# Altium PCB PCB1.PcbDoc (part 2 of 6) (continued)
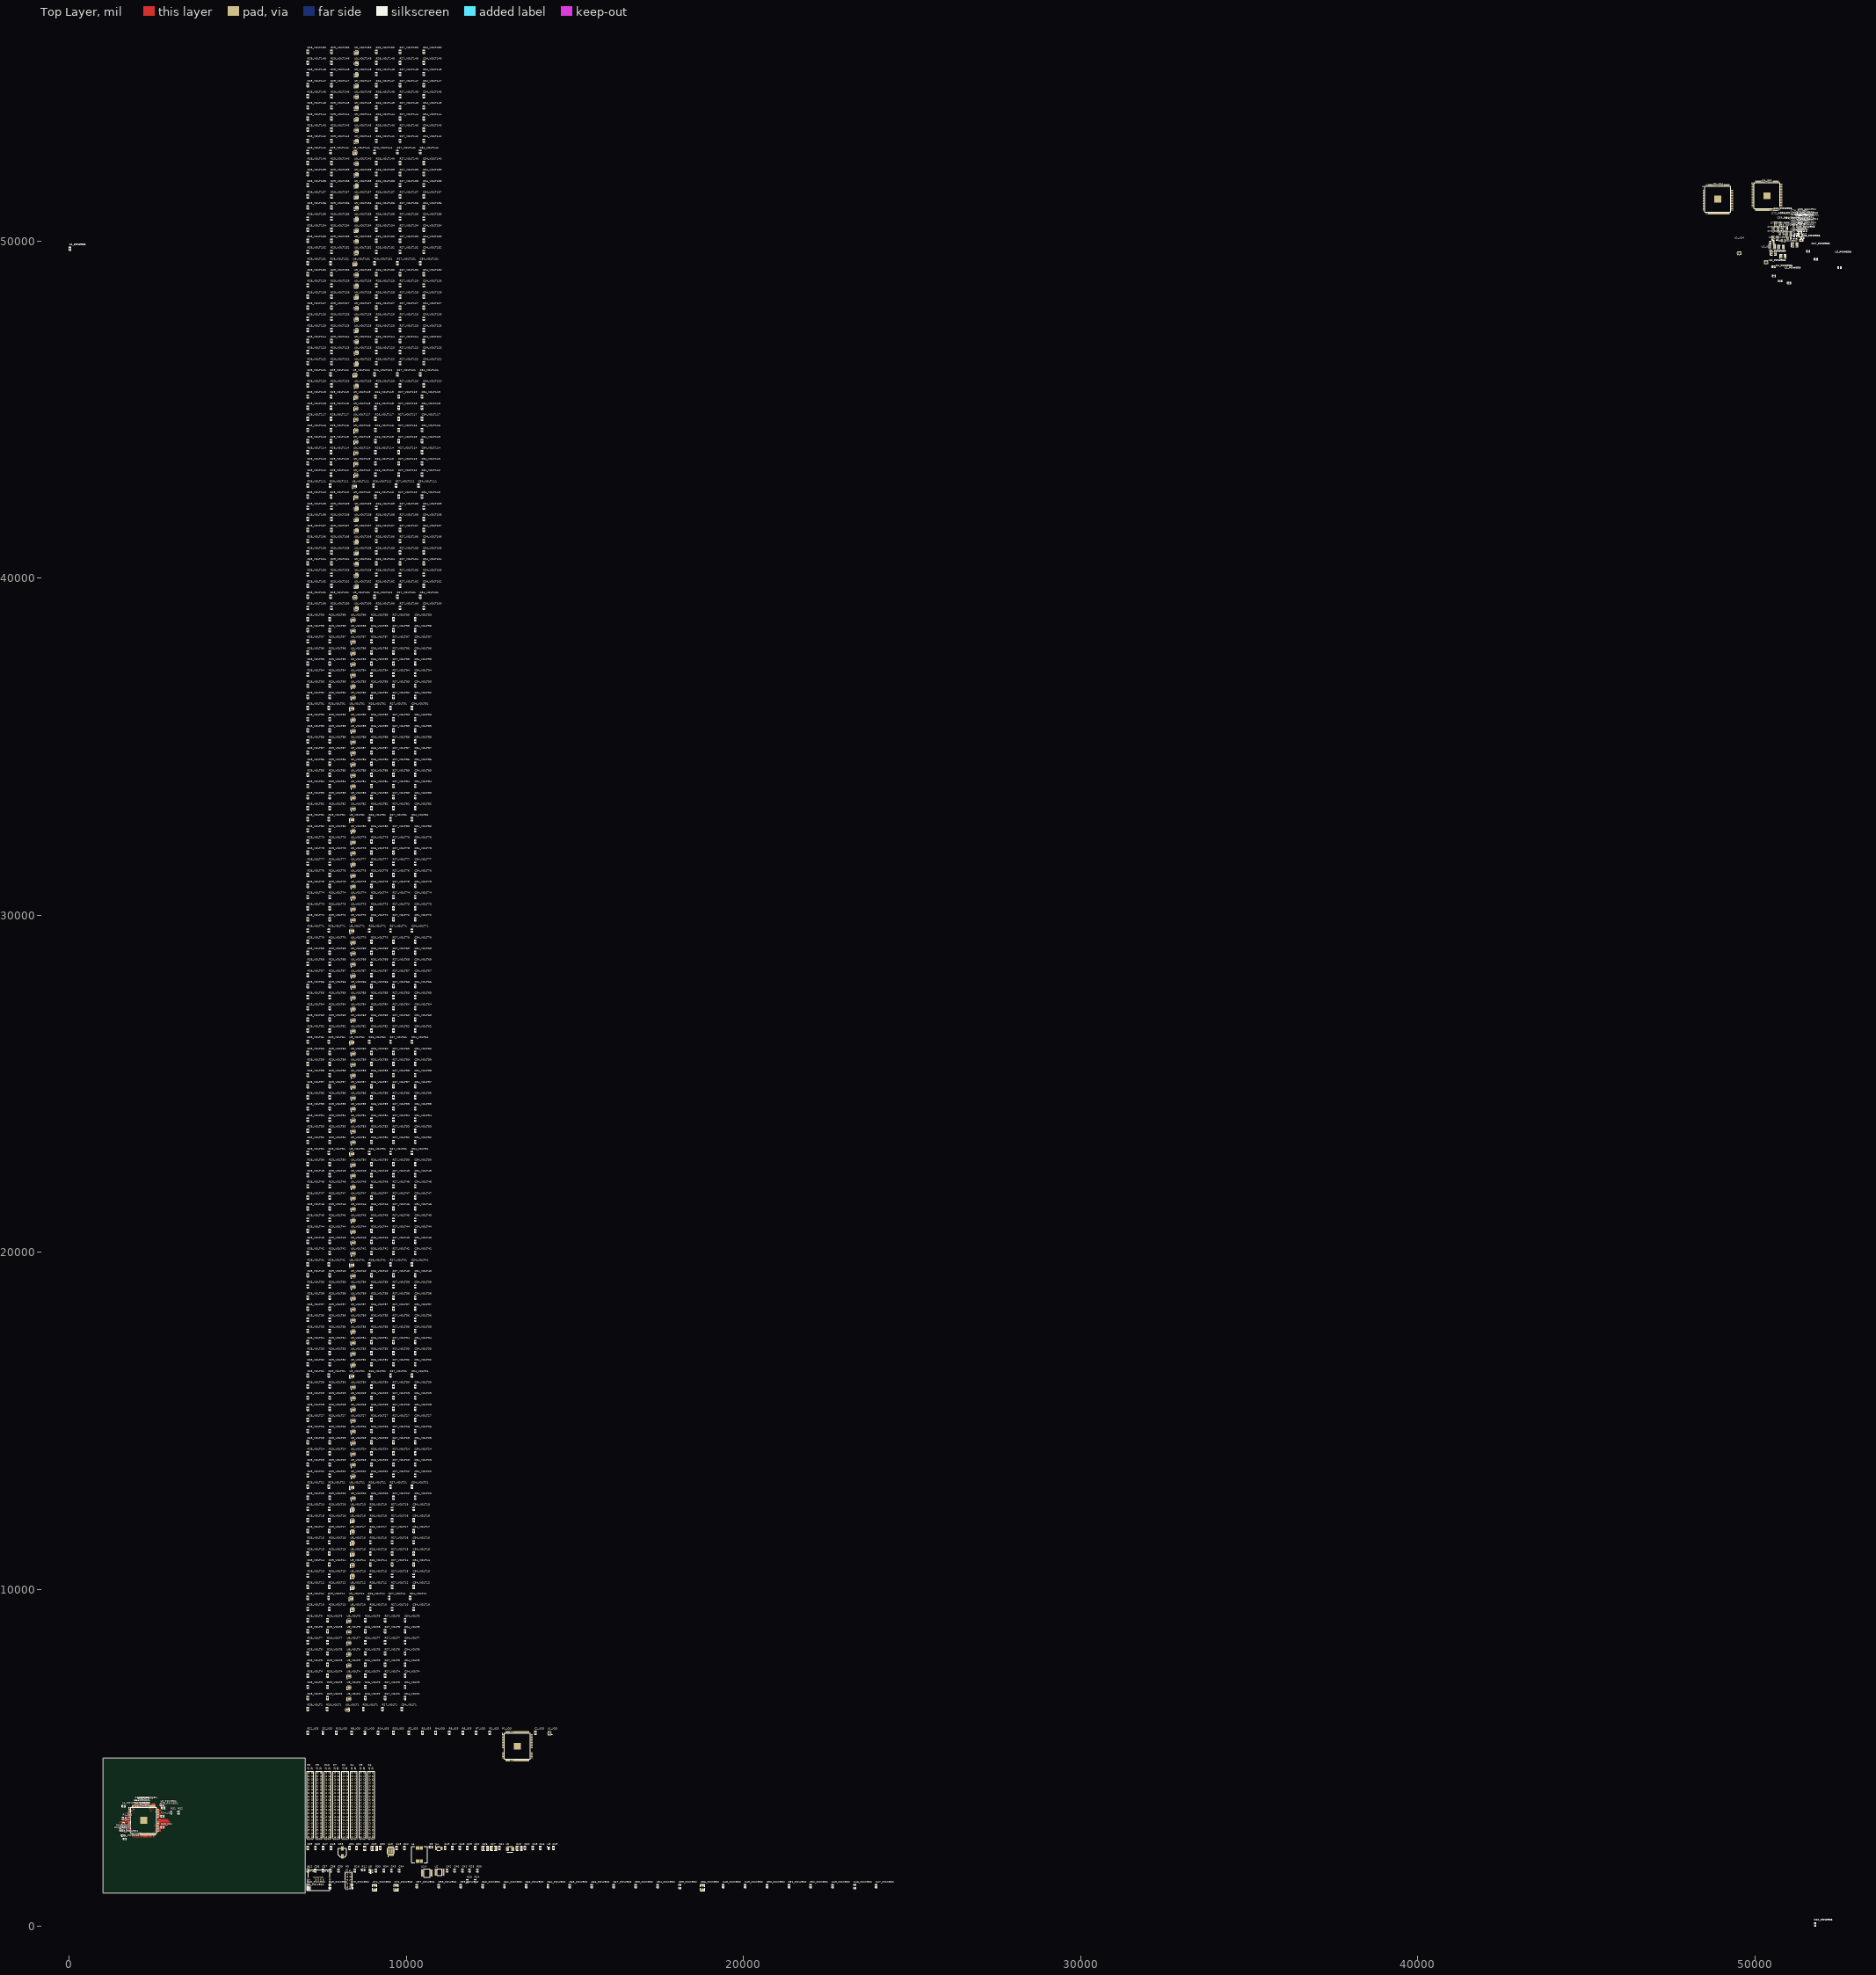
[diagram p0: Top Layer view]
## Components (designator, comment, footprint, x,y, rotation, side; value= is the part's Value field where it differs from the comment) (continued)
C53_POWER3 "0.01uF/16V" 0603C 51335.5,50327.5 r0 top (schematic designator C53)
C53_POWER4 "0.01uF/16V" 0603C 51335.5,50327.5 r0 top (schematic designator C53)
C54_POWER1 "0.47uF/16V" 0603C 51335.5,50327.5 r0 top (schematic designator C54)
C54_POWER2 "0.47uF/16V" 0603C 17455,1203 r90 top (schematic designator C54)
C54_POWER3 "0.47uF/16V" 0603C 51335.5,50327.5 r0 top (schematic designator C54)
C54_POWER4 "0.47uF/16V" 0603C 51335.5,50327.5 r0 top (schematic designator C54)
C55_POWER1 "10uF/25V" 0805C 51335.5,50327.5 r0 top (schematic designator C55)
C55_POWER2 "10uF/25V" 0805C 18115,1188 r90 top (schematic designator C55)
C55_POWER3 "10uF/25V" 0805C 51335.5,50327.5 r0 top (schematic designator C55)
C55_POWER4 "10uF/25V" 0805C 51414,50485 r0 top (schematic designator C55)
C56_POWER1 "22uF/25V" 1210C 51186,49903 r0 top (schematic designator C56)
C56_POWER2 "22uF/25V" 1210C 18795,1158 r90 top (schematic designator C56)
C56_POWER3 "22uF/25V" 1210C 50882,50389 r0 top (schematic designator C56)
C56_POWER4 "22uF/25V" 1210C 51008,50232 r0 top (schematic designator C56)
C57_POWER1 "0.1uF/16V" 0603C 51335.5,50327.5 r0 top (schematic designator C57)
C57_POWER2 "0.1uF/16V" 0603C 10317,1203 r90 top (schematic designator C57)
C57_POWER3 "0.1uF/16V" 0603C 51335.5,50327.5 r0 top (schematic designator C57)
C57_POWER4 "0.1uF/16V" 0603C 51335.5,50327.5 r0 top (schematic designator C57)
C58_POWER1 "0.1uF/16V" 0603C 51335.5,50327.5 r0 top (schematic designator C58)
C58_POWER2 "0.1uF/16V" 0603C 10967,1203 r90 top (schematic designator C58)
C58_POWER3 "0.1uF/16V" 0603C 51335.5,50327.5 r0 top (schematic designator C58)
C58_POWER4 "0.1uF/16V" 0603C 51335.5,50327.5 r0 top (schematic designator C58)
C59_POWER1 "0.1uF/16V" 0603C 51335.5,50327.5 r0 top (schematic designator C59)
C59_POWER2 "0.1uF/16V" 0603C 11617,1203 r90 top (schematic designator C59)
C59_POWER3 "0.1uF/16V" 0603C 51335.5,50327.5 r0 top (schematic designator C59)
C59_POWER4 "0.1uF/16V" 0603C 51335.5,50327.5 r0 top (schematic designator C59)
C60_POWER1 "0.1uF/16V" 0603C 51335.5,50327.5 r0 top (schematic designator C60)
C60_POWER2 "0.1uF/16V" 0603C 12267,1203 r90 top (schematic designator C60)
C60_POWER3 "0.1uF/16V" 0603C 51335.5,50327.5 r0 top (schematic designator C60)
C60_POWER4 "0.1uF/16V" 0603C 51335.5,50327.5 r0 top (schematic designator C60)
C61_POWER1 "0.1uF/16V" 0603C 51335.5,50327.5 r0 top (schematic designator C61)
C61_POWER2 "0.1uF/16V" 0603C 12916,1203 r90 top (schematic designator C61)
C61_POWER3 "0.1uF/16V" 0603C 51335.5,50327.5 r0 top (schematic designator C61)
C61_POWER4 "0.1uF/16V" 0603C 51335.5,50327.5 r0 top (schematic designator C61)
C62_POWER1 "0.1uF/16V" 0603C 51335.5,50327.5 r0 top (schematic designator C62)
C62_POWER2 "0.1uF/16V" 0603C 13556,1203 r90 top (schematic designator C62)
C62_POWER3 "0.1uF/16V" 0603C 51335.5,50327.5 r0 top (schematic designator C62)
C62_POWER4 "0.1uF/16V" 0603C 51335.5,50327.5 r0 top (schematic designator C62)
C63 "0.047uF/50V" 0603C 7310,2335 r90 top
C64_POWER1 "0.1uF/16V" 0603C 51335.5,50327.5 r0 top (schematic designator C64)
C64_POWER2 "0.1uF/16V" 0603C 14206,1203 r90 top (schematic designator C64)
C64_POWER3 "0.1uF/16V" 0603C 51335.5,50327.5 r0 top (schematic designator C64)
C64_POWER4 "0.1uF/16V" 0603C 51335.5,50327.5 r0 top (schematic designator C64)
C65_POWER1 "0.1uF/16V" 0603C 51335.5,50327.5 r0 top (schematic designator C65)
C65_POWER2 "0.1uF/16V" 0603C 14856,1203 r90 top (schematic designator C65)
C65_POWER3 "0.1uF/16V" 0603C 51347,50402 r0 top (schematic designator C65)
C65_POWER4 "0.1uF/16V" 0603C 51412,50105 r0 top (schematic designator C65)
C66_POWER1 "0.1uF/16V" 0603C 51198,50063 r0 top (schematic designator C66)
C66_POWER2 "0.1uF/16V" 0603C 15506,1203 r90 top (schematic designator C66)
C66_POWER3 "0.1uF/16V" 0603C 51206,50156 r0 top (schematic designator C66)
C66_POWER4 "0.1uF/16V" 0603C 51194,50339 r0 top (schematic designator C66)
C67_POWER1 "0.1uF/16V" 0603C 51493,50315 r0 top (schematic designator C67)
C67_POWER2 "0.1uF/16V" 0603C 16155,1203 r90 top (schematic designator C67)
C67_POWER3 "0.1uF/16V" 0603C 51224,50212 r0 top (schematic designator C67)
C67_POWER4 "0.1uF/16V" 0603C 51349,50260 r0 top (schematic designator C67)
C68_POWER1 "0.47uF/16V" 0603C 51381,50035 r0 top (schematic designator C68)
C68_POWER2 "0.47uF/16V" 0603C 7078,1203 r90 top (schematic designator C68)
C68_POWER3 "0.47uF/16V" 0603C 51467,50382 r0 top (schematic designator C68)
C68_POWER4 "0.47uF/16V" 0603C 51481,50204 r0 top (schematic designator C68)
C69_POWER1 "10uF/25V" 0805C 51354,50172 r0 top (schematic designator C69)
C69_POWER2 "10uF/25V" 0805C 7738,1188 r90 top (schematic designator C69)
C69_POWER3 "10uF/25V" 0805C 51025,50086 r0 top (schematic designator C69)
C69_POWER4 "10uF/25V" 0805C 50795,50238 r0 top (schematic designator C69)
C70_POWER1 "10uF/25V" 0805C 51203,50451 r0 top (schematic designator C70)
C70_POWER2 "10uF/25V" 0805C 8388,1188 r90 top (schematic designator C70)
C70_POWER3 "10uF/25V" 0805C 50849,50025 r0 top (schematic designator C70)
C70_POWER4 "10uF/25V" 0805C 50513.37,49964 r0 top (schematic designator C70)
C71_POWER1 "22uF/25V" 1210C 50837,49551 r0 top (schematic designator C71)
C71_POWER2 "22uF/25V" 1210C 9067,1158 r90 top (schematic designator C71)
C71_POWER3 "22uF/25V" 1210C 50548,49657 r0 top (schematic designator C71)
C71_POWER4 "22uF/25V" 1210C 50516,49842 r0 top (schematic designator C71)
C72_POWER1 "22uF/25V" 1210C 50624,50372 r0 top (schematic designator C72)
C72_POWER2 "22uF/25V" 1210C 9707,1158 r90 top (schematic designator C72)
C72_POWER3 "22uF/25V" 1210C 50780,49827 r0 top (schematic designator C72)
C72_POWER4 "22uF/25V" 1210C 50606,50092 r0 top (schematic designator C72)
D1_IO1 "LEDR" LED_0603 1554,2912.91 r180 top value=RED (schematic designator D1)
D1_IO2 "LEDR" LED_0603 51335.5,50327.5 r0 top value=RED (schematic designator D1)
D1_IO3 "LEDR" LED_0603 8780,5750 r90 top value=RED (schematic designator D1)
D1_IO4 "LEDR" LED_0603 51335.5,50327.5 r0 top value=RED (schematic designator D1)
D2_IO1 "LEDR" LED_0603 1552,2851.91 r180 top value=RED (schematic designator D2)
D2_IO2 "LEDR" LED_0603 51335.5,50327.5 r0 top value=RED (schematic designator D2)
D2_IO3 "LEDR" LED_0603 7530,5750 r90 top value=RED (schematic designator D2)
D2_IO4 "LEDR" LED_0603 51335.5,50327.5 r0 top value=RED (schematic designator D2)
D7 "V8PAM10S-M3_H" V8PAM10SHM3H 7105,1185 r90 top
J1 "RJHSE-5381" RJHSE5381 7410,1380 r0 top
L1_POWER1 "100R,1A" 0603L 1620,3575 r180 top value=100R/1A (schematic designator L1)
L1_POWER2 "100R,1A" 0603L 51016.4,48762.89 r0 top value=100R/1A (schematic designator L1)
L1_POWER3 "100R,1A" 0603L 51016.4,48762.89 r0 top value=100R/1A (schematic designator L1)
L1_POWER4 "100R,1A" 0603L 51016.4,48762.89 r0 top value=100R/1A (schematic designator L1)
L2_POWER1 "100R,1A" 0603L 1650.16,2604.56 r180 top value=100R/1A (schematic designator L2)
L2_POWER2 "100R,1A" 0603L 27.5,49779.5 r90 top value=100R/1A (schematic designator L2)
L2_POWER3 "100R,1A" 0603L 27.5,49779.5 r90 top value=100R/1A (schematic designator L2)
L2_POWER4 "100R,1A" 0603L 27.5,49779.5 r90 top value=100R/1A (schematic designator L2)
L3_POWER1 "100R,1A" 0603L 2755,3620 r0 top value=100R/1A (schematic designator L3)
L3_POWER2 "100R,1A" 0603L 52514.5,49224.5 r0 top value=100R/1A (schematic designator L3)
L3_POWER3 "100R,1A" 0603L 52514.5,49224.5 r0 top value=100R/1A (schematic designator L3)
L3_POWER4 "100R,1A" 0603L 52514.5,49224.5 r0 top value=100R/1A (schematic designator L3)
L5 "2.2uH" IHLP1616BZER2R2M5A 12995,2295 r0 top
L6 "22uH" CDRH124NP-220MC 10390,2135 r0 top
P1_IO1 "10M04SC E144" 10M04SCE144C8G 2213.27,3152.24 r0 top (schematic designator P1)
P1_IO2 "10M04SC E144" 10M04SCE144C8G 50360,51350 r0 top (schematic designator P1)
P1_IO3 "10M04SC E144" 10M04SCE144C8G 13295,5350 r0 top (schematic designator P1)
P1_IO4 "10M04SC E144" 10M04SCE144C8G 48902.95,51247.24 r0 top (schematic designator P1)
P2 "Header 20X2" HDR2X20 8240,2660 r90 top value=40
P3 "JTAG" HDR2X5 8345,1175 r90 top
P4 "Header 20X2" HDR2X20 8495,2660 r90 top value=40
P5 "Header 20X2" HDR2X20 8755,2660 r90 top value=40
P6 "Header 20X2" HDR2X20 9010,2660 r90 top value=40
P7 "Header 20X2" HDR2X20 7980,2660 r90 top value=40
P8 "Header 20X2" HDR2X20 7205,2660 r90 top value=40
P9 "Header 20X2" HDR2X20 7465,2660 r90 top value=40
P10 "Header 20X2" HDR2X20 7720,2660 r90 top value=40
R1_IO1 "10K" 0603R 1635,3220 r180 top (schematic designator R1)
R1_IO2 "10K" 0603R 51335.5,50327.5 r0 top (schematic designator R1)
R1_IO3 "10K" 0603R 12480,5755 r90 top (schematic designator R1)
R1_IO4 "10K" 0603R 51335.5,50327.5 r0 top (schematic designator R1)
R2_IO1 "10K" 0603R 1975,3710 r90 top (schematic designator R2)
R2_IO2 "10K" 0603R 51335.5,50327.5 r0 top (schematic designator R2)
R2_IO3 "10K" 0603R 10080,5755 r90 top (schematic designator R2)
R2_IO4 "10K" 0603R 51335.5,50327.5 r0 top (schematic designator R2)
R3_IO1 "10K" 0603R 2035,3710 r90 top (schematic designator R3)
R3_IO2 "10K" 0603R 51335.5,50327.5 r0 top (schematic designator R3)
R3_IO3 "10K" 0603R 10480,5755 r90 top (schematic designator R3)
R3_IO4 "10K" 0603R 51335.5,50327.5 r0 top (schematic designator R3)
R4_IO1 "10K" 0603R 2085,3710 r90 top (schematic designator R4)
R4_IO2 "10K" 0603R 51335.5,50327.5 r0 top (schematic designator R4)
R4_IO3 "10K" 0603R 10880,5755 r90 top (schematic designator R4)
R4_IO4 "10K" 0603R 51335.5,50327.5 r0 top (schematic designator R4)
R5_IO1 "10K" 0603R 2145,3710 r90 top (schematic designator R5)
R5_IO2 "10K" 0603R 51335.5,50327.5 r0 top (schematic designator R5)
R5_IO3 "10K" 0603R 11280,5755 r90 top (schematic designator R5)
R5_IO4 "10K" 0603R 51335.5,50327.5 r0 top (schematic designator R5)
R6_IO1 "10K" 0603R 2285,3710 r90 top (schematic designator R6)
R6_IO2 "10K" 0603R 51335.5,50327.5 r0 top (schematic designator R6)
R6_IO3 "10K" 0603R 11680,5755 r90 top (schematic designator R6)
R6_IO4 "10K" 0603R 51335.5,50327.5 r0 top (schematic designator R6)
R7_IO1 "10K" 0603R 2360,3710 r90 top (schematic designator R7)
R7_IO2 "10K" 0603R 51335.5,50327.5 r0 top (schematic designator R7)
R7_IO3 "10K" 0603R 12080,5755 r90 top (schematic designator R7)
R7_IO4 "10K" 0603R 51335.5,50327.5 r0 top (schematic designator R7)
R8_IO1 "220R" 0603R 1663,2911 r180 top (schematic designator R8)
R8_IO2 "220R" 0603R 51335.5,50327.5 r0 top (schematic designator R8)
R8_IO3 "220R" 0603R 8380,5755 r90 top (schematic designator R8)
R8_IO4 "220R" 0603R 51335.5,50327.5 r0 top (schematic designator R8)
R9 "1K" 0603R 10730,2360 r0 top
R10 "10K" 0603R 8480,1665 r90 top
R11 "10K" 0603R 8725,1690 r0 top
R12 "1K" 0603R 7080,1665 r90 top
R13_IO1 "1K" 0603R 2205,3710 r90 top (schematic designator R13)
R13_IO2 "1K" 0603R 51335.5,50327.5 r0 top (schematic designator R13)
R13_IO3 "1K" 0603R 7930,5755 r90 top (schematic designator R13)
R13_IO4 "1K" 0603R 51335.5,50327.5 r0 top (schematic designator R13)
R14_IO1 "4.7K" 0603R 2774,3280 r180 top (schematic designator R14)
R14_IO2 "4.7K" 0603R 51335.5,50327.5 r0 top (schematic designator R14)
R14_IO3 "4.7K" 0603R 9170,5755 r90 top (schematic designator R14)
R14_IO4 "4.7K" 0603R 51335.5,50327.5 r0 top (schematic designator R14)
R15 "604K" 0603R 14365,2335 r90 top
R16 "20R" 0603R 13975,2335 r90 top
R17 "10K" 0603R 11375,2335 r90 top
R18 "40.2K" 0603R 11595,2335 r90 top
R19 "7.68K" 0603R 11155,2335 r90 top
R20_IO1 "4.7K" 0603R 2774,2950 r180 top (schematic designator R20)
R20_IO2 "4.7K" 0603R 51335.5,50327.5 r0 top (schematic designator R20)
R20_IO3 "4.7K" 0603R 9620,5755 r90 top (schematic designator R20)
R20_IO4 "4.7K" 0603R 51335.5,50327.5 r0 top (schematic designator R20)
R21_IO1 "220R" 0603R 1663,2850 r180 top (schematic designator R21)
R21_IO2 "220R" 0603R 51335.5,50327.5 r0 top (schematic designator R21)
R21_IO3 "220R" 0603R 7080,5755 r90 top (schematic designator R21)
R21_IO4 "220R" 0603R 51335.5,50327.5 r0 top (schematic designator R21)
R22 "10K" 0603R 9945,2335 r90 top
R23 "10K" 0603R 11815,1355 r90 top
R24 "10K" 0603R 12045,1355 r90 top
R25 "10K" 0603R 11880,1665 r90 top
R26_VOLT1 "1K" 0603R 8730,6455 r90 top (schematic designator R26)
R26_VOLT2 "1K" 0603R 8790,6785 r90 top (schematic designator R26)
R26_VOLT3 "1K" 0603R 8790,7115 r90 top (schematic designator R26)
R26_VOLT4 "1K" 0603R 8790,7445 r90 top (schematic designator R26)
R26_VOLT5 "1K" 0603R 8790,7775 r90 top (schematic designator R26)
R26_VOLT6 "1K" 0603R 8790,8105 r90 top (schematic designator R26)
R26_VOLT7 "1K" 0603R 8790,8435 r90 top (schematic designator R26)
R26_VOLT8 "1K" 0603R 8790,8765 r90 top (schematic designator R26)
R26_VOLT9 "1K" 0603R 8790,9095 r90 top (schematic designator R26)
R26_VOLT10 "1K" 0603R 8940,9425 r90 top (schematic designator R26)
R26_VOLT11 "1K" 0603R 8880,9755 r90 top (schematic designator R26)
R26_VOLT12 "1K" 0603R 8940,10085 r90 top (schematic designator R26)
R26_VOLT13 "1K" 0603R 8940,10415 r90 top (schematic designator R26)
R26_VOLT14 "1K" 0603R 8940,10745 r90 top (schematic designator R26)
R26_VOLT15 "1K" 0603R 8940,11075 r90 top (schematic designator R26)
R26_VOLT16 "1K" 0603R 8940,11405 r90 top (schematic designator R26)
R26_VOLT17 "1K" 0603R 8940,11735 r90 top (schematic designator R26)
R26_VOLT18 "1K" 0603R 8940,12065 r90 top (schematic designator R26)
R26_VOLT19 "1K" 0603R 8940,12395 r90 top (schematic designator R26)
R26_VOLT20 "1K" 0603R 8970,12725 r90 top (schematic designator R26)
R26_VOLT21 "1K" 0603R 8910,13055 r90 top (schematic designator R26)
R26_VOLT22 "1K" 0603R 8970,13385 r90 top (schematic designator R26)
R26_VOLT23 "1K" 0603R 8970,13715 r90 top (schematic designator R26)
R26_VOLT24 "1K" 0603R 8970,14045 r90 top (schematic designator R26)
R26_VOLT25 "1K" 0603R 8970,14375 r90 top (schematic designator R26)
R26_VOLT26 "1K" 0603R 8970,14705 r90 top (schematic designator R26)
R26_VOLT27 "1K" 0603R 8970,15035 r90 top (schematic designator R26)
R26_VOLT28 "1K" 0603R 8970,15365 r90 top (schematic designator R26)
R26_VOLT29 "1K" 0603R 8970,15695 r90 top (schematic designator R26)
R26_VOLT30 "1K" 0603R 8970,16025 r90 top (schematic designator R26)
R26_VOLT31 "1K" 0603R 8910,16355 r90 top (schematic designator R26)
R26_VOLT32 "1K" 0603R 8970,16685 r90 top (schematic designator R26)
R26_VOLT33 "1K" 0603R 8970,17015 r90 top (schematic designator R26)
R26_VOLT34 "1K" 0603R 8970,17345 r90 top (schematic designator R26)
R26_VOLT35 "1K" 0603R 8970,17675 r90 top (schematic designator R26)
R26_VOLT36 "1K" 0603R 8970,18005 r90 top (schematic designator R26)
R26_VOLT37 "1K" 0603R 8970,18335 r90 top (schematic designator R26)
R26_VOLT38 "1K" 0603R 8970,18665 r90 top (schematic designator R26)
R26_VOLT39 "1K" 0603R 8970,18995 r90 top (schematic designator R26)
R26_VOLT40 "1K" 0603R 8970,19325 r90 top (schematic designator R26)
R26_VOLT41 "1K" 0603R 8910,19655 r90 top (schematic designator R26)
R26_VOLT42 "1K" 0603R 8970,19985 r90 top (schematic designator R26)
R26_VOLT43 "1K" 0603R 8970,20315 r90 top (schematic designator R26)
R26_VOLT44 "1K" 0603R 8970,20645 r90 top (schematic designator R26)
R26_VOLT45 "1K" 0603R 8970,20975 r90 top (schematic designator R26)
R26_VOLT46 "1K" 0603R 8970,21305 r90 top (schematic designator R26)
R26_VOLT47 "1K" 0603R 8970,21635 r90 top (schematic designator R26)
R26_VOLT48 "1K" 0603R 8970,21965 r90 top (schematic designator R26)
R26_VOLT49 "1K" 0603R 8970,22295 r90 top (schematic designator R26)
R26_VOLT50 "1K" 0603R 8970,22625 r90 top (schematic designator R26)
R26_VOLT51 "1K" 0603R 8910,22955 r90 top (schematic designator R26)
R26_VOLT52 "1K" 0603R 8970,23285 r90 top (schematic designator R26)
R26_VOLT53 "1K" 0603R 8970,23615 r90 top (schematic designator R26)
R26_VOLT54 "1K" 0603R 8970,23945 r90 top (schematic designator R26)
R26_VOLT55 "1K" 0603R 8970,24275 r90 top (schematic designator R26)
R26_VOLT56 "1K" 0603R 8970,24605 r90 top (schematic designator R26)
R26_VOLT57 "1K" 0603R 8970,24935 r90 top (schematic designator R26)
R26_VOLT58 "1K" 0603R 8970,25265 r90 top (schematic designator R26)
R26_VOLT59 "1K" 0603R 8970,25595 r90 top (schematic designator R26)
R26_VOLT60 "1K" 0603R 8970,25925 r90 top (schematic designator R26)
R26_VOLT61 "1K" 0603R 8910,26255 r90 top (schematic designator R26)
R26_VOLT62 "1K" 0603R 8970,26585 r90 top (schematic designator R26)
R26_VOLT63 "1K" 0603R 8970,26915 r90 top (schematic designator R26)
R26_VOLT64 "1K" 0603R 8970,27245 r90 top (schematic designator R26)
R26_VOLT65 "1K" 0603R 8970,27575 r90 top (schematic designator R26)
R26_VOLT66 "1K" 0603R 8970,27905 r90 top (schematic designator R26)
R26_VOLT67 "1K" 0603R 8970,28235 r90 top (schematic designator R26)
R26_VOLT68 "1K" 0603R 8970,28565 r90 top (schematic designator R26)
R26_VOLT69 "1K" 0603R 8970,28895 r90 top (schematic designator R26)
R26_VOLT70 "1K" 0603R 8970,29225 r90 top (schematic designator R26)
R26_VOLT71 "1K" 0603R 8910,29555 r90 top (schematic designator R26)
R26_VOLT72 "1K" 0603R 8970,29885 r90 top (schematic designator R26)
R26_VOLT73 "1K" 0603R 8970,30215 r90 top (schematic designator R26)
R26_VOLT74 "1K" 0603R 8970,30545 r90 top (schematic designator R26)
R26_VOLT75 "1K" 0603R 8970,30875 r90 top (schematic designator R26)
R26_VOLT76 "1K" 0603R 8970,31205 r90 top (schematic designator R26)
R26_VOLT77 "1K" 0603R 8970,31535 r90 top (schematic designator R26)
R26_VOLT78 "1K" 0603R 8970,31865 r90 top (schematic designator R26)
R26_VOLT79 "1K" 0603R 8970,32195 r90 top (schematic designator R26)
R26_VOLT80 "1K" 0603R 8970,32525 r90 top (schematic designator R26)
R26_VOLT81 "1K" 0603R 8910,32855 r90 top (schematic designator R26)
R26_VOLT82 "1K" 0603R 8970,33185 r90 top (schematic designator R26)
R26_VOLT83 "1K" 0603R 8970,33515 r90 top (schematic designator R26)
R26_VOLT84 "1K" 0603R 8970,33845 r90 top (schematic designator R26)
R26_VOLT85 "1K" 0603R 8970,34175 r90 top (schematic designator R26)
R26_VOLT86 "1K" 0603R 8970,34505 r90 top (schematic designator R26)
R26_VOLT87 "1K" 0603R 8970,34835 r90 top (schematic designator R26)
R26_VOLT88 "1K" 0603R 8970,35165 r90 top (schematic designator R26)
R26_VOLT89 "1K" 0603R 8970,35495 r90 top (schematic designator R26)
R26_VOLT90 "1K" 0603R 8970,35825 r90 top (schematic designator R26)
R26_VOLT91 "1K" 0603R 8910,36155 r90 top (schematic designator R26)
R26_VOLT92 "1K" 0603R 8970,36485 r90 top (schematic designator R26)
R26_VOLT93 "1K" 0603R 8970,36815 r90 top (schematic designator R26)
R26_VOLT94 "1K" 0603R 8970,37145 r90 top (schematic designator R26)
R26_VOLT95 "1K" 0603R 8970,37475 r90 top (schematic designator R26)
R26_VOLT96 "1K" 0603R 8970,37805 r90 top (schematic designator R26)
R26_VOLT97 "1K" 0603R 8970,38135 r90 top (schematic designator R26)
R26_VOLT98 "1K" 0603R 8970,38465 r90 top (schematic designator R26)
R26_VOLT99 "1K" 0603R 8970,38795 r90 top (schematic designator R26)
R26_VOLT100 "1K" 0603R 9120,39125 r90 top (schematic designator R26)
R26_VOLT101 "1K" 0603R 9060,39455 r90 top (schematic designator R26)
R26_VOLT102 "1K" 0603R 9120,39785 r90 top (schematic designator R26)
R26_VOLT103 "1K" 0603R 9120,40115 r90 top (schematic designator R26)
R26_VOLT104 "1K" 0603R 9120,40445 r90 top (schematic designator R26)
R26_VOLT105 "1K" 0603R 9120,40775 r90 top (schematic designator R26)
R26_VOLT106 "1K" 0603R 9120,41105 r90 top (schematic designator R26)
R26_VOLT107 "1K" 0603R 9120,41435 r90 top (schematic designator R26)
R26_VOLT108 "1K" 0603R 9120,41765 r90 top (schematic designator R26)
R26_VOLT109 "1K" 0603R 9120,42095 r90 top (schematic designator R26)
R26_VOLT110 "1K" 0603R 9090,42425 r90 top (schematic designator R26)
R26_VOLT111 "1K" 0603R 9030,42755 r90 top (schematic designator R26)
R26_VOLT112 "1K" 0603R 9090,43085 r90 top (schematic designator R26)
R26_VOLT113 "1K" 0603R 9090,43415 r90 top (schematic designator R26)
R26_VOLT114 "1K" 0603R 9090,43745 r90 top (schematic designator R26)
R26_VOLT115 "1K" 0603R 9090,44075 r90 top (schematic designator R26)
R26_VOLT116 "1K" 0603R 9090,44405 r90 top (schematic designator R26)
R26_VOLT117 "1K" 0603R 9090,44735 r90 top (schematic designator R26)
R26_VOLT118 "1K" 0603R 9090,45065 r90 top (schematic designator R26)
R26_VOLT119 "1K" 0603R 9090,45395 r90 top (schematic designator R26)
R26_VOLT120 "1K" 0603R 9120,45725 r90 top (schematic designator R26)
R26_VOLT121 "1K" 0603R 9060,46055 r90 top (schematic designator R26)
R26_VOLT122 "1K" 0603R 9120,46385 r90 top (schematic designator R26)
R26_VOLT123 "1K" 0603R 9120,46715 r90 top (schematic designator R26)
R26_VOLT124 "1K" 0603R 9120,47045 r90 top (schematic designator R26)
R26_VOLT125 "1K" 0603R 9120,47375 r90 top (schematic designator R26)
R26_VOLT126 "1K" 0603R 9120,47705 r90 top (schematic designator R26)
R26_VOLT127 "1K" 0603R 9120,48035 r90 top (schematic designator R26)
R26_VOLT128 "1K" 0603R 9120,48365 r90 top (schematic designator R26)
R26_VOLT129 "1K" 0603R 9120,48695 r90 top (schematic designator R26)
R26_VOLT130 "1K" 0603R 9120,49025 r90 top (schematic designator R26)
R26_VOLT131 "1K" 0603R 9060,49355 r90 top (schematic designator R26)
R26_VOLT132 "1K" 0603R 9120,49685 r90 top (schematic designator R26)
R26_VOLT133 "1K" 0603R 9120,50015 r90 top (schematic designator R26)
R26_VOLT134 "1K" 0603R 9120,50345 r90 top (schematic designator R26)
R26_VOLT135 "1K" 0603R 9120,50675 r90 top (schematic designator R26)
R26_VOLT136 "1K" 0603R 9120,51005 r90 top (schematic designator R26)
R26_VOLT137 "1K" 0603R 9120,51335 r90 top (schematic designator R26)
R26_VOLT138 "1K" 0603R 9120,51665 r90 top (schematic designator R26)
R26_VOLT139 "1K" 0603R 9120,51995 r90 top (schematic designator R26)
R26_VOLT140 "1K" 0603R 9120,52325 r90 top (schematic designator R26)
R26_VOLT141 "1K" 0603R 9060,52655 r90 top (schematic designator R26)
R26_VOLT142 "1K" 0603R 9120,52985 r90 top (schematic designator R26)
R26_VOLT143 "1K" 0603R 9120,53315 r90 top (schematic designator R26)
R26_VOLT144 "1K" 0603R 9120,53645 r90 top (schematic designator R26)
R26_VOLT145 "1K" 0603R 9120,53975 r90 top (schematic designator R26)
R26_VOLT146 "1K" 0603R 9120,54305 r90 top (schematic designator R26)
R26_VOLT147 "1K" 0603R 9120,54635 r90 top (schematic designator R26)
R26_VOLT148 "1K" 0603R 9120,54965 r90 top (schematic designator R26)
R26_VOLT149 "1K" 0603R 9120,55295 r90 top (schematic designator R26)
R26_VOLT150 "1K" 0603R 9120,55625 r90 top (schematic designator R26)
R27_VOLT1 "160R" 0603R 9300,6455 r90 top (schematic designator R27)
R27_VOLT2 "160R" 0603R 9380,6785 r90 top (schematic designator R27)
R27_VOLT3 "160R" 0603R 9380,7115 r90 top (schematic designator R27)
R27_VOLT4 "160R" 0603R 9380,7445 r90 top (schematic designator R27)
R27_VOLT5 "160R" 0603R 9380,7775 r90 top (schematic designator R27)
R27_VOLT6 "160R" 0603R 9380,8105 r90 top (schematic designator R27)
R27_VOLT7 "160R" 0603R 9380,8435 r90 top (schematic designator R27)
R27_VOLT8 "160R" 0603R 9380,8765 r90 top (schematic designator R27)
R27_VOLT9 "160R" 0603R 9380,9095 r90 top (schematic designator R27)
R27_VOLT10 "160R" 0603R 9580,9425 r90 top (schematic designator R27)
R27_VOLT11 "160R" 0603R 9500,9755 r90 top (schematic designator R27)
R27_VOLT12 "160R" 0603R 9580,10085 r90 top (schematic designator R27)
R27_VOLT13 "160R" 0603R 9580,10415 r90 top (schematic designator R27)
R27_VOLT14 "160R" 0603R 9580,10745 r90 top (schematic designator R27)
R27_VOLT15 "160R" 0603R 9580,11075 r90 top (schematic designator R27)
R27_VOLT16 "160R" 0603R 9580,11405 r90 top (schematic designator R27)
R27_VOLT17 "160R" 0603R 9580,11735 r90 top (schematic designator R27)
R27_VOLT18 "160R" 0603R 9580,12065 r90 top (schematic designator R27)
R27_VOLT19 "160R" 0603R 9580,12395 r90 top (schematic designator R27)
R27_VOLT20 "160R" 0603R 9620,12725 r90 top (schematic designator R27)
R27_VOLT21 "160R" 0603R 9540,13055 r90 top (schematic designator R27)
R27_VOLT22 "160R" 0603R 9620,13385 r90 top (schematic designator R27)
R27_VOLT23 "160R" 0603R 9620,13715 r90 top (schematic designator R27)
R27_VOLT24 "160R" 0603R 9620,14045 r90 top (schematic designator R27)
R27_VOLT25 "160R" 0603R 9620,14375 r90 top (schematic designator R27)
R27_VOLT26 "160R" 0603R 9620,14705 r90 top (schematic designator R27)
R27_VOLT27 "160R" 0603R 9620,15035 r90 top (schematic designator R27)
R27_VOLT28 "160R" 0603R 9620,15365 r90 top (schematic designator R27)
R27_VOLT29 "160R" 0603R 9620,15695 r90 top (schematic designator R27)
R27_VOLT30 "160R" 0603R 9620,16025 r90 top (schematic designator R27)
R27_VOLT31 "160R" 0603R 9540,16355 r90 top (schematic designator R27)
R27_VOLT32 "160R" 0603R 9620,16685 r90 top (schematic designator R27)
R27_VOLT33 "160R" 0603R 9620,17015 r90 top (schematic designator R27)
R27_VOLT34 "160R" 0603R 9620,17345 r90 top (schematic designator R27)
R27_VOLT35 "160R" 0603R 9620,17675 r90 top (schematic designator R27)
R27_VOLT36 "160R" 0603R 9620,18005 r90 top (schematic designator R27)
R27_VOLT37 "160R" 0603R 9620,18335 r90 top (schematic designator R27)
R27_VOLT38 "160R" 0603R 9620,18665 r90 top (schematic designator R27)
R27_VOLT39 "160R" 0603R 9620,18995 r90 top (schematic designator R27)
R27_VOLT40 "160R" 0603R 9620,19325 r90 top (schematic designator R27)
R27_VOLT41 "160R" 0603R 9540,19655 r90 top (schematic designator R27)
R27_VOLT42 "160R" 0603R 9620,19985 r90 top (schematic designator R27)
R27_VOLT43 "160R" 0603R 9620,20315 r90 top (schematic designator R27)
R27_VOLT44 "160R" 0603R 9620,20645 r90 top (schematic designator R27)
R27_VOLT45 "160R" 0603R 9620,20975 r90 top (schematic designator R27)
R27_VOLT46 "160R" 0603R 9620,21305 r90 top (schematic designator R27)
R27_VOLT47 "160R" 0603R 9620,21635 r90 top (schematic designator R27)
R27_VOLT48 "160R" 0603R 9620,21965 r90 top (schematic designator R27)
R27_VOLT49 "160R" 0603R 9620,22295 r90 top (schematic designator R27)
R27_VOLT50 "160R" 0603R 9620,22625 r90 top (schematic designator R27)
R27_VOLT51 "160R" 0603R 9540,22955 r90 top (schematic designator R27)
R27_VOLT52 "160R" 0603R 9620,23285 r90 top (schematic designator R27)
R27_VOLT53 "160R" 0603R 9620,23615 r90 top (schematic designator R27)
R27_VOLT54 "160R" 0603R 9620,23945 r90 top (schematic designator R27)
R27_VOLT55 "160R" 0603R 9620,24275 r90 top (schematic designator R27)
R27_VOLT56 "160R" 0603R 9620,24605 r90 top (schematic designator R27)
R27_VOLT57 "160R" 0603R 9620,24935 r90 top (schematic designator R27)
R27_VOLT58 "160R" 0603R 9620,25265 r90 top (schematic designator R27)
R27_VOLT59 "160R" 0603R 9620,25595 r90 top (schematic designator R27)
R27_VOLT60 "160R" 0603R 9620,25925 r90 top (schematic designator R27)
R27_VOLT61 "160R" 0603R 9540,26255 r90 top (schematic designator R27)
R27_VOLT62 "160R" 0603R 9620,26585 r90 top (schematic designator R27)
R27_VOLT63 "160R" 0603R 9620,26915 r90 top (schematic designator R27)
R27_VOLT64 "160R" 0603R 9620,27245 r90 top (schematic designator R27)
R27_VOLT65 "160R" 0603R 9620,27575 r90 top (schematic designator R27)
R27_VOLT66 "160R" 0603R 9620,27905 r90 top (schematic designator R27)
R27_VOLT67 "160R" 0603R 9620,28235 r90 top (schematic designator R27)
R27_VOLT68 "160R" 0603R 9620,28565 r90 top (schematic designator R27)
R27_VOLT69 "160R" 0603R 9620,28895 r90 top (schematic designator R27)
R27_VOLT70 "160R" 0603R 9620,29225 r90 top (schematic designator R27)
R27_VOLT71 "160R" 0603R 9540,29555 r90 top (schematic designator R27)
R27_VOLT72 "160R" 0603R 9620,29885 r90 top (schematic designator R27)
R27_VOLT73 "160R" 0603R 9620,30215 r90 top (schematic designator R27)
R27_VOLT74 "160R" 0603R 9620,30545 r90 top (schematic designator R27)
R27_VOLT75 "160R" 0603R 9620,30875 r90 top (schematic designator R27)
R27_VOLT76 "160R" 0603R 9620,31205 r90 top (schematic designator R27)
R27_VOLT77 "160R" 0603R 9620,31535 r90 top (schematic designator R27)
R27_VOLT78 "160R" 0603R 9620,31865 r90 top (schematic designator R27)
R27_VOLT79 "160R" 0603R 9620,32195 r90 top (schematic designator R27)
R27_VOLT80 "160R" 0603R 9620,32525 r90 top (schematic designator R27)
R27_VOLT81 "160R" 0603R 9540,32855 r90 top (schematic designator R27)
R27_VOLT82 "160R" 0603R 9620,33185 r90 top (schematic designator R27)
R27_VOLT83 "160R" 0603R 9620,33515 r90 top (schematic designator R27)
R27_VOLT84 "160R" 0603R 9620,33845 r90 top (schematic designator R27)
R27_VOLT85 "160R" 0603R 9620,34175 r90 top (schematic designator R27)
R27_VOLT86 "160R" 0603R 9620,34505 r90 top (schematic designator R27)
R27_VOLT87 "160R" 0603R 9620,34835 r90 top (schematic designator R27)
R27_VOLT88 "160R" 0603R 9620,35165 r90 top (schematic designator R27)
R27_VOLT89 "160R" 0603R 9620,35495 r90 top (schematic designator R27)
R27_VOLT90 "160R" 0603R 9620,35825 r90 top (schematic designator R27)
R27_VOLT91 "160R" 0603R 9540,36155 r90 top (schematic designator R27)
R27_VOLT92 "160R" 0603R 9620,36485 r90 top (schematic designator R27)
R27_VOLT93 "160R" 0603R 9620,36815 r90 top (schematic designator R27)
R27_VOLT94 "160R" 0603R 9620,37145 r90 top (schematic designator R27)
R27_VOLT95 "160R" 0603R 9620,37475 r90 top (schematic designator R27)